# Allegro board WDMB-0007B-V02.brd (continued)
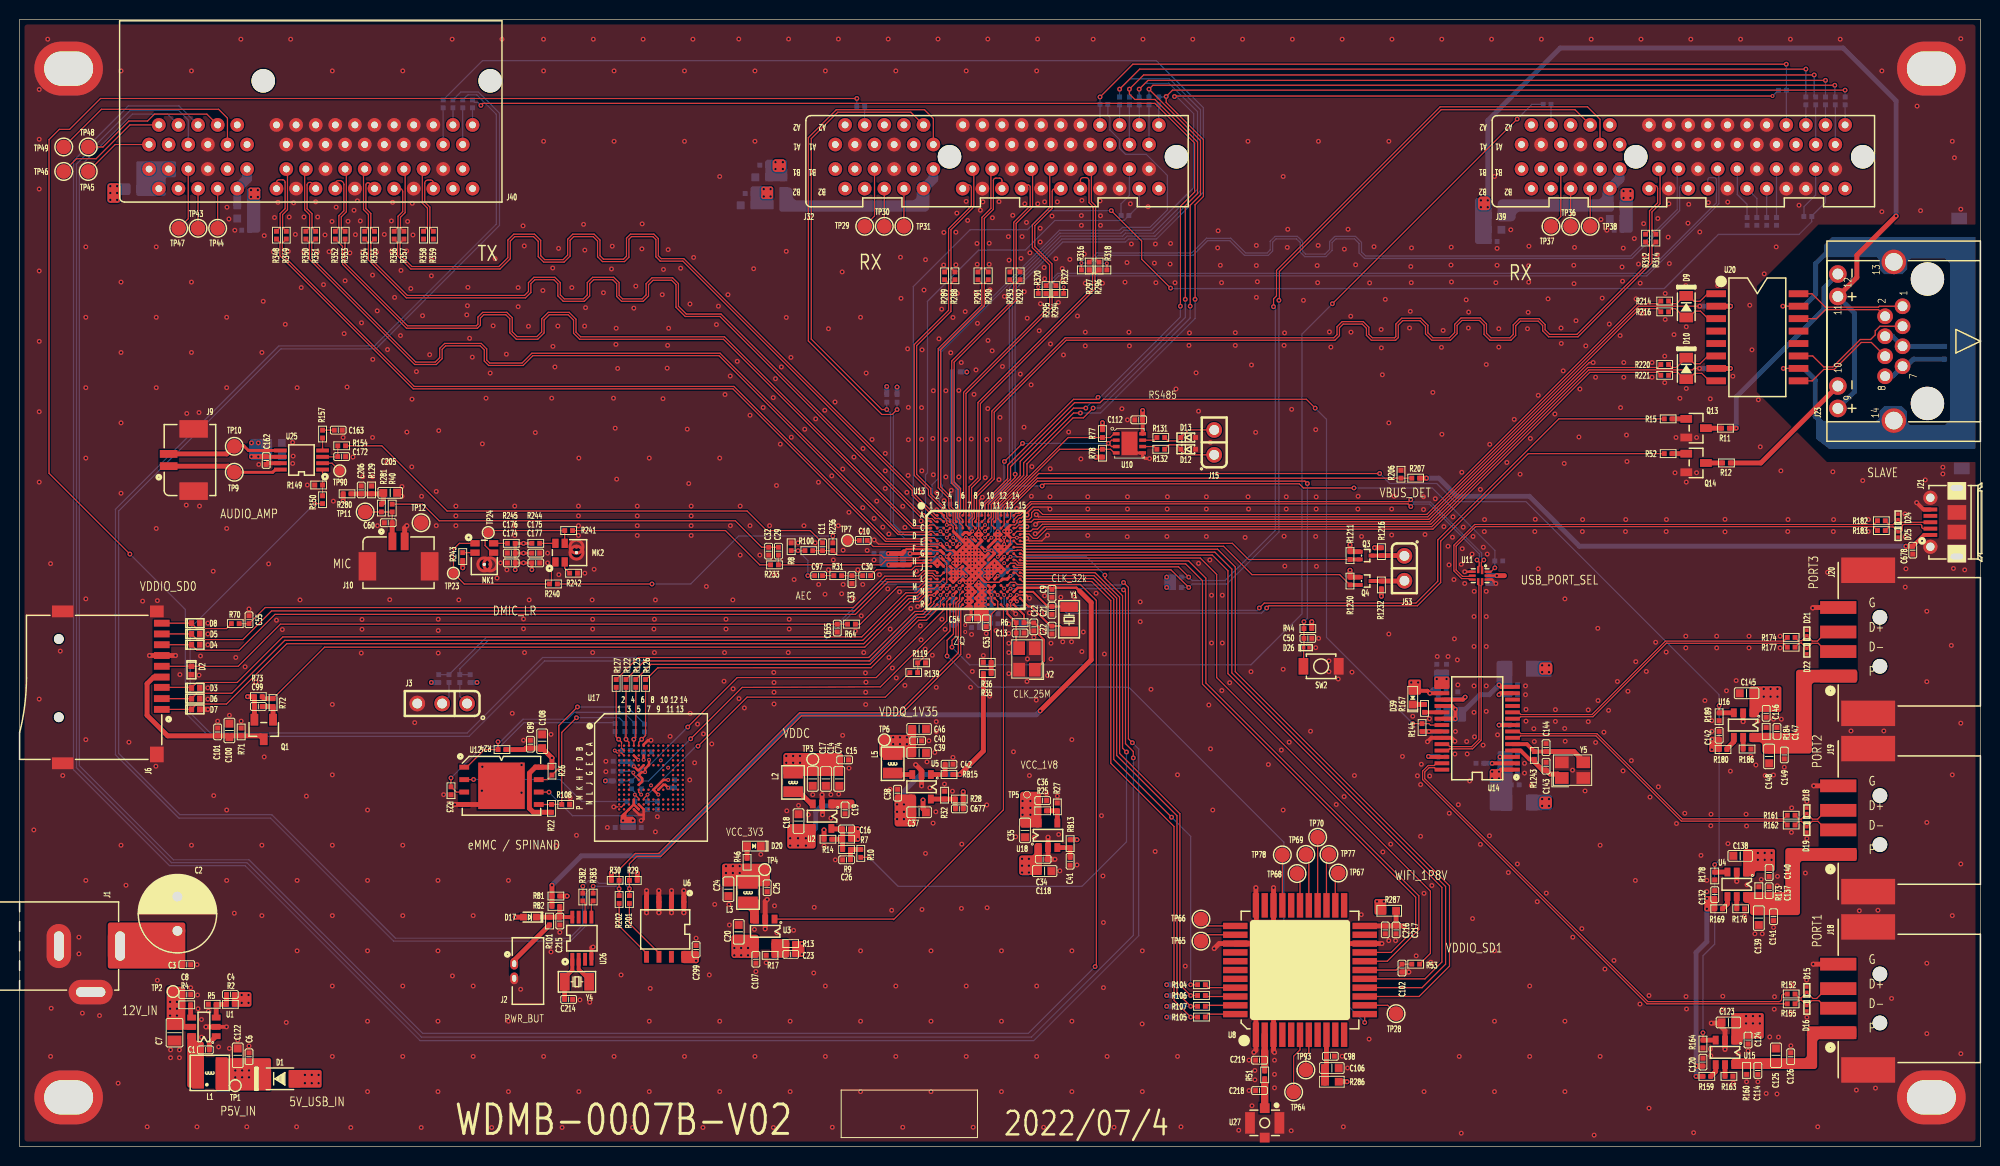
[diagram p0: board, top side]
## Placement (name value [footprint] x y rotation side) (continued)
TP23  test_pin  [TP1D0]  44.25 58.5 90 top
TP24  test_pin  [TP1D0]  47.8 62.65 90 top
TP28  NC_60MIL  [TP1D5]  140.4 13.55 270 top
TP29  NC_60MIL  [TP1D5]  86.2 93.9 90 top
TP30  NC_60MIL  [TP1D5]  88.2 93.9 90 top
TP31  NC_60MIL  [TP1D5]  90.2 93.9 90 top
TP36  NC_60MIL  [TP1D5]  158.2 93.9 90 top
TP37  NC_60MIL  [TP1D5]  156.2 93.9 90 top
TP38  NC_60MIL  [TP1D5]  160.2 93.9 90 top
TP43  NC_60MIL  [TP1D5]  18.2 93.7 90 top
TP44  NC_60MIL  [TP1D5]  20.2 93.7 90 top
TP45  NC_60MIL  [TP1D5]  7 99.5 90 top
TP46  NC_60MIL  [TP1D5]  4.5 99.5 90 top
TP47  NC_60MIL  [TP1D5]  16.23 93.7 90 top
TP48  NC_60MIL  [TP1D5]  7 102 180 top
TP49  NC_60MIL  [TP1D5]  4.5 102 90 top
TP64  NC_60MIL  [TP1D5]  129.95 5.55 90 top
TP65  NC_60MIL  [TP1D5]  120.5 20.95 90 top
TP66  NC_60MIL  [TP1D5]  120.5 23.2 90 top
TP67  NC_60MIL  [TP1D5]  134.5 27.9 90 top
TP68  NC_60MIL  [TP1D5]  130.3 27.85 90 top
TP69  NC_60MIL  [TP1D5]  131.2 29.8 90 top
TP70  NC_60MIL  [TP1D5]  132.4 31.55 90 top
TP77  NC_60MIL  [TP1D5]  133.55 29.8 90 top
TP78  NC_60MIL  [TP1D5]  128.8 29.75 0 top
TP90  T POINT R  [TP1D0]  32.65 68.95 270 top
TP93  NC_60MIL  [TP1D5]  131.2 7.8 90 top
U1  ETA8110S2G  [SOT236_2D9X1D6_0D95]  18.8 12.2 90 top
U2  ETA3446S2F  [SOT235_2D9X1D6_0D95]  81.85 33.7 180 top
U3  ETA3418S2F  [SOT235_2D9X1D6_0D95]  76.05 21.95 180 top
U4  G517AL1TB1U  [SOT236_2D9X1D6_0D95]  175.15 26.75 180 top
U5  ETA3414S2F  [SOT235_2D9X1D6_0D95]  92 36.7 180 top
U6  NC_ATSHA204A-SH-DA-B  [SOP8_4D4X5D0_1D27]  65.85 22.15 270 top
U8  DZ-S1026_R89S(FTV)  [WM44_12D0X12D0_0D9]  130.6 18 90 top
U10  NC/TPT75176A  [DFN8_3D0X3D0_0D65_E]  113.2 71.75 0 top
U11  SGM7227  [UQFN10_1D4X1D8_0D4]  148.97 58.25 270 top
U12  NAND_256MB  [VDFN8_6D0X8D0_1D27_E]  49.15 36.8 0 top
U13  CR182X_BGA_10X10  [BGA205_10D0X10D0_0D65]  97.5 59.85 0 top
U14  AU6268-JES  [SSOP28_5D3X10D2_0D65]  148.68 42.67 90 top
U15  G517AL1TB1U  [SOT236_2D9X1D6_0D95]  173.95 9.6 180 top
U16  G517AL1TB1U  [SOT236_2D9X1D6_0D95]  175.8 43 180 top
U17  NC_eMMC_8GB  [VFBGA153_11D5X13D0_0D5]  64.4 37.65 0 top
U18  ETA5050V0S2F  [SOT235_2D9X1D6_0D95]  104.9 31.75 0 top
U20  M1601AG  [TF16_12D1X5D1_1D27]  177.25 82.58 270 top
U25  CS8302M  [MSOP8_3D0X3D0_0D65]  28.75 70.05 180 top
U26  NC/TT8563  [MSOP8_3D0X3D0_0D65]  57.35 21.25 90 top
U27  UUS RF  [ANTCON_3D0X2D6]  127 2.4 180 top
Y1  32.768KHz/12.5pF  [XTAL_3D2X1D5]  107.05 53.8 90 top
Y2  25MHz/12.5pF  [XTAL_3D2X2D5]  102.75 49.75 90 top
Y4  NC_32.768KHz  [XTAL_3D2X1D5]  56.85 16.8 180 top
Y5  12MHz/12.5pF  [XTAL_3D2X2D5]  158.4 38.4 0 top

## Library data of the parts
C1 C4 C16 C23 C677 = SC0402_3p3nF_50V
C2 = CAP
C3 C5 C6 C8 C9 C15 C19 C25 C26 C34 C36 C38 C40 C44-C57 C64 C66 C67 C70-C79 C84 C85 C89 C96 C98 C100-C104 C107-C109 C112-C114 C120 C121 C124 C126-C137 C140-C142 C146 C147 C149 C166-C168 C197 C198 C201 C217-C219 C299 C626 C655 C669-C672 C674 C676 C678 = SC0402_0p1uF_16V
C7 C14 C20 C123 C125 C138 C139 C145 C148 = SC0805_22uF_16V
C10 C11 C17 C18 C24 C29-C33 C35 C37 C39 C60 C97 C106 C118 C119 C122 C159 C160 C162 C163 C172 C205 C206 C216 = SC0402_1uF_25V
C12 C13 C21 C22 C143 C144 = SC0402_12pF_16V
C41 C42 = SC0402_4p7uF_6p3V
C43 C61 C91 C93 C99 C150 C164 C165 C174-C177 C214 C215 = C
C196 C199 C200 C673 C675 = SC0603_22uF_6p3V
D1 D17 = D1N5819-1A_2
D2-D8 = DIODE BI_DIR TRIG_2
D9 D10 = D_0
D12 D13 = DIODE BI_DIR TRIG_0
D15 D16 D18 D19 D21 D22 D24-D26 = DIODE BI_DIR TRIG_1
D20 D39 = LED_0
H1-H4 = H
J1 = DCJACK_5mm
J2 = XTAL_25MHz_5
J3 = HEADER 3X1_4.25mm
J6 = Micro SD Socket
J9 J10 = CON6_5
J15 J53 = HEADER 2X1_1.25mm
J18-J20 = USB2_0 STD A_FS_1
J21 = USB2_0.0 Micro B
J23 = RJ45_Pluse J0011D01BNL_5
J32 J39 J40 = PCIE X 64_1
L1-L3 L5 = L
MK1 MK2 = D_MIC_1
Q1 = MOSFET_P_0
Q3 Q4 = MOSFET N_0
Q13 Q14 = 2N1069_2
R1-R40 R42 R44-R46 R49 R51-R57 R64 R70-R73 R76-R79 R81 R82 R100 R101 R104-R108 R116 R118 R119 R121-R123 R126-R129 R131 R132 R138-R142 R144 R149 R150 R154 R157 R159 R160 R163 R164 R166 R167 R169-R171 R173 R176 R178 R180 R184 R186 R189 R201 R202 R206 R207 R217 R218 R222 R223 R233 R236 R240-R245 R280-R283 R286 R287 R294-R298 R300-R304 R307 R310 R324 R326 R328 R330 R331 R334-R336 R338 R343 R347 R358-R363 R382 R383 R690 R691 R1211 R1216 R1230 R1232 R1243 R1248 R1249 RB13 RB15 = R
R152 R155 R161 R162 R174 R177 R182 R183 R214 R216 R220 R221 R288-R293 R312 R314 R316 R318 R320 R322 R348-R357 = R: signal model: DEFAULT_RESISTOR_100.000000OHM_1_2
SW2 = SW PB 2PIN
TP1-TP13 TP23 TP24 = TP60
TP28-TP31 TP36-TP38 TP43-TP49 TP64-TP70 TP77 TP78 TP93 = TP60_1
TP90 = T POINT R
U1 = G2832TB1U_0
U2 U3 U5 = G2822T11U_0
U4 U15 U16 = G517AL1TB1U_0
U6 = ATSHA204A-SH-DA-B
U8 = WIFI_DXS-S1128_R21CS_3
U10 = SN65HVD82_0
U11 = UM3304QT_0
U12 = ESMT_SPINOR_WSON8_4
U13 = Mars_CR182X_BGA_10X10
U14 = AU6268
U17 = MTFC8GAKAJCN
U18 = LDO-PT5108/RT9013_2
U20 = RJ45J0011D21B_0
U25 = SGM4890YMS
U26 = LM4990_0
U27 = ATNA RF SMA 1MM25_1
Y1 Y4 = CRYSTAL_0
Y2 Y5 = XTAL_25MHz_7

## Footprints (pads in the part's own frame, mm; a bottom-side part is the same pattern mirrored in y, then rotated)
ANTCON_3D0X2D6
  rect 1x1 smd: 1(0,-1.5) 2(0,1.5)
  rect 1x2.2 smd: 3(-1.5,0) 4(1.5,0)
BGA205_10D0X10D0_0D65
  round 0.3 smd: A2(-3.9,4.55) A3(-3.25,4.55) A4(-2.6,4.55) A6(-1.3,4.55) A7(-0.65,4.55) A9(0.65,4.55) A10(1.3,4.55) A12(2.6,4.55) A13(3.25,4.55) A14(3.9,4.55) B1(-4.55,3.9) B2(-3.9,3.9) B3(-3.25,3.9) B4(-2.6,3.9) B5(-1.95,3.9) B6(-1.3,3.9) B7(-0.65,3.9) B8(0,3.9) B9(0.65,3.9) B10(1.3,3.9) B11(1.95,3.9) B12(2.6,3.9) B13(3.25,3.9) B14(3.9,3.9) B15(4.55,3.9) C1(-4.55,3.25) C2(-3.9,3.25) C3(-3.25,3.25) C4(-2.6,3.25) C5(-1.95,3.25) C6(-1.3,3.25) C7(-0.65,3.25) C8(0,3.25) C9(0.65,3.25) C10(1.3,3.25) C11(1.95,3.25) C12(2.6,3.25) C13(3.25,3.25) C14(3.9,3.25) C15(4.55,3.25) D1(-4.55,2.6) D2(-3.9,2.6) D3(-3.25,2.6) D4(-2.6,2.6) D5(-1.95,2.6) D6(-1.3,2.6) D7(-0.65,2.6) D8(0,2.6) D9(0.65,2.6) D10(1.3,2.6) D11(1.95,2.6) D12(2.6,2.6) D13(3.25,2.6) D14(3.9,2.6) D15(4.55,2.6) E1(-4.55,1.95) E2(-3.9,1.95) E4(-2.6,1.95) E5(-1.95,1.95) E7(-0.65,1.95) E8(0,1.95) E9(0.65,1.95) E10(1.3,1.95) E11(1.95,1.95) E12(2.6,1.95) E13(3.25,1.95) E14(3.9,1.95) E15(4.55,1.95) F2(-3.9,1.3) F3(-3.25,1.3) F4(-2.6,1.3) F5(-1.95,1.3) F6(-1.3,1.3) F7(-0.65,1.3) F9(0.65,1.3) F10(1.3,1.3) F11(1.95,1.3) F13(3.25,1.3) F14(3.9,1.3) G1(-4.55,0.65) G2(-3.9,0.65) G3(-3.25,0.65) G4(-2.6,0.65) G5(-1.95,0.65) G6(-1.3,0.65) G7(-0.65,0.65) G8(0,0.65) G9(0.65,0.65) G10(1.3,0.65) G11(1.95,0.65) G13(3.25,0.65) G14(3.9,0.65) G15(4.55,0.65) H1(-4.55,0) H2(-3.9,0) H3(-3.25,0) H4(-2.6,0) H5(-1.95,0) H6(-1.3,0) H7(-0.65,0) H8(0,0) H9(0.65,0) H10(1.3,0) H11(1.95,0) H12(2.6,0) H13(3.25,0) H14(3.9,0) H15(4.55,0) J1(-4.55,-0.65) J2(-3.9,-0.65) J3(-3.25,-0.65) J4(-2.6,-0.65) J6(-1.3,-0.65) J7(-0.65,-0.65) J8(0,-0.65) J9(0.65,-0.65) J10(1.3,-0.65) J11(1.95,-0.65) J12(2.6,-0.65) J13(3.25,-0.65) J14(3.9,-0.65) K2(-3.9,-1.3) K3(-3.25,-1.3) K4(-2.6,-1.3) K5(-1.95,-1.3) K6(-1.3,-1.3) K7(-0.65,-1.3) K8(0,-1.3) K9(0.65,-1.3) K10(1.3,-1.3) K11(1.95,-1.3) K12(2.6,-1.3) K13(3.25,-1.3) K14(3.9,-1.3) K15(4.55,-1.3) L1(-4.55,-1.95) L2(-3.9,-1.95) L3(-3.25,-1.95) L4(-2.6,-1.95) L5(-1.95,-1.95) L6(-1.3,-1.95) L7(-0.65,-1.95) L8(0,-1.95) L9(0.65,-1.95) L10(1.3,-1.95) L11(1.95,-1.95) L13(3.25,-1.95) L14(3.9,-1.95) L15(4.55,-1.95) M1(-4.55,-2.6) M2(-3.9,-2.6) M3(-3.25,-2.6) M4(-2.6,-2.6) M5(-1.95,-2.6) M6(-1.3,-2.6) M7(-0.65,-2.6) M8(0,-2.6) M9(0.65,-2.6) M10(1.3,-2.6) M11(1.95,-2.6) M12(2.6,-2.6) M13(3.25,-2.6) M14(3.9,-2.6) N1(-4.55,-3.25) N2(-3.9,-3.25) N3(-3.25,-3.25) N4(-2.6,-3.25) N5(-1.95,-3.25) N6(-1.3,-3.25) N7(-0.65,-3.25) N8(0,-3.25) N9(0.65,-3.25) N10(1.3,-3.25) N11(1.95,-3.25) N12(2.6,-3.25) N13(3.25,-3.25) N14(3.9,-3.25) N15(4.55,-3.25) P1(-4.55,-3.9) P2(-3.9,-3.9) P3(-3.25,-3.9) P4(-2.6,-3.9) P5(-1.95,-3.9) P6(-1.3,-3.9) P7(-0.65,-3.9) P8(0,-3.9) P9(0.65,-3.9) P10(1.3,-3.9) P11(1.95,-3.9) P12(2.6,-3.9) P13(3.25,-3.9) P14(3.9,-3.9) P15(4.55,-3.9) R2(-3.9,-4.55) R3(-3.25,-4.55) R4(-2.6,-4.55) R6(-1.3,-4.55) R7(-0.65,-4.55) R8(0,-4.55) R9(0.65,-4.55) R10(1.3,-4.55) R11(1.95,-4.55) R12(2.6,-4.55) R13(3.25,-4.55) R14(3.9,-4.55)
C0402
  rect 0.5x0.5 smd: 1(-0.4,0) 2(0.4,0)
C0603
  rect 0.8x0.8 smd: 1(-0.7,0) 2(0.7,0)
C0805
  rect 1x1.4 smd: 1(-0.8,0) 2(0.8,0)
C1206
  rect 1.2x1.6 smd: 1(-1.3,0) 2(1.3,0)
COIL_3D0X3D0
  rect 1.2x3.2 smd: 1(1.2,0) 2(-1.2,0)
DCJACK_9D0X13D6
  oval 4.5x2.5 hole 3x1: 1(0,13.75) 3(0,7.5)
  oval 2.5x4.5 hole 1x3: 2(4.7,10.75)
DFN2_0D6X0D3
  rect 0.35x0.35 smd: N(-0.275,0) P(0.275,0)
DFN2_1D0X0D6
  rect 0.55x0.6 smd: N(-0.425,0) P(0.425,0)
DFN8_3D0X3D0_0D65_E
  rect 0.7x0.35 smd: 1(-1.35,0.975) 2(-1.35,0.325) 3(-1.35,-0.325) 4(-1.35,-0.975) 5(1.35,-0.975) 6(1.35,-0.325) 7(1.35,0.325) 8(1.35,0.975)
  rect 1.6x2.4 smd: 9(0,0)
EC_Z8D0_3D5
  round 1.6 hole 1: 1(-1.75,0) 2(1.75,0)
JMP_1X2_2D54
  round 1.6 hole 1: 1(-1.27,0) 2(1.27,0)
JMP_1X3_2D54
  round 1.6 hole 1: 1(-2.54,0) 2(0,0) 3(2.54,0)
L1008
  rect 1.1x2 smd: 1(-0.95,0) 2(0.95,0)
LED0603
  rect 0.8x0.8 smd: N(-0.7,0) P(0.7,0)
M_3D5X5D0_5D5X7D0
  oval 7x5.5 hole 5x3.5: 1(0,0)
MC_USB5P_5D0X7D5_0D65_SMD
  rect 0.4x1.4 smd: 1(-1.3,4.85) 2(-0.65,4.85) 3(0,4.85) 4(0.65,4.85) 5(1.3,4.85)
  round 1.45 hole 0.85: 6(-2.5,4.85) 7(2.5,4.85)
  rect 1.8x1.9 hole 0.6x1.3: 8(-3.5,2.15) 11(3.5,2.15)
  rect 1.5x1.9 smd: 9(-1,2.15) 10(1,2.15)
MIC_3D5X2D65
  round 0.325 hole 0.325 unplated: (0,0)
  rect 0.95x0.65 smd: 1(-0.95,2.15) 2(-0.95,1.2) 4(0.95,1.2) 5(0.95,2.15)
  custom 1.625x1.625 smd: 3(0.6,0)
ML2_2D8X6D8_1D5
  oval 1.2x0.8 hole 0.7x0.4: 1(-0.75,0) 2(0.75,0)
MSOP8_3D0X3D0_0D65
  rect 1.3x0.4 smd: 1(-2.15,0.975) 2(-2.15,0.325) 3(-2.15,-0.325) 4(-2.15,-0.975) 5(2.15,-0.975) 6(2.15,-0.325) 7(2.15,0.325) 8(2.15,0.975)
PCIE64_39D0X8D75_2D0_TH
  round 2.4 hole 2.4 unplated: (-18,0) (5.15,0)
  round 1.4 hole 0.7: A1(16.8,-1.25) A2(15.8,-3.25) A3(14.8,-1.25) A4(13.8,-3.25) A5(12.8,-1.25) A6(11.8,-3.25) A7(10.8,-1.25) A8(9.8,-3.25) A9(8.8,-1.25) A10(7.8,-3.25) A11(6.8,-1.25) A12(3.8,-3.25) A13(2.8,-1.25) A14(1.8,-3.25) A15(0.8,-1.25) A16(-0.2,-3.25) A17(-1.2,-1.25) A18(-2.2,-3.25) A19(-3.2,-1.25) A20(-4.2,-3.25) A21(-5.2,-1.25) A22(-6.2,-3.25) A23(-7.2,-1.25) A24(-8.2,-3.25) A25(-9.2,-1.25) A26(-10.2,-3.25) A27(-11.2,-1.25) A28(-12.2,-3.25) A29(-13.2,-1.25) A30(-14.2,-3.25) A31(-15.2,-1.25) A32(-16.2,-3.25) B1(16.8,1.25) B2(15.8,3.25) B3(14.8,1.25) B4(13.8,3.25) B5(12.8,1.25) B6(11.8,3.25) B7(10.8,1.25) B8(9.8,3.25) B9(8.8,1.25) B10(7.8,3.25) B11(6.8,1.25) B12(3.8,3.25) B13(2.8,1.25) B14(1.8,3.25) B15(0.8,1.25) B16(-0.2,3.25) B17(-1.2,1.25) B18(-2.2,3.25) B19(-3.2,1.25) B20(-4.2,3.25) B21(-5.2,1.25) B22(-6.2,3.25) B23(-7.2,1.25) B24(-8.2,3.25) B25(-9.2,1.25) B26(-10.2,3.25) B27(-11.2,1.25) B28(-12.2,3.25) B29(-13.2,1.25) B30(-14.2,3.25) B31(-15.2,1.25) B32(-16.2,3.25)
PCIE64_39D0X18D5_2D0_RA
  round 2.4 hole 2.4 unplated: (-18,-7.75) (5.15,-7.75)
  round 1.4 hole 0.7: A1(16.8,-1.25) A2(15.8,-3.25) A3(14.8,-1.25) A4(13.8,-3.25) A5(12.8,-1.25) A6(11.8,-3.25) A7(10.8,-1.25) A8(9.8,-3.25) A9(8.8,-1.25) A10(7.8,-3.25) A11(6.8,-1.25) A12(3.8,-3.25) A13(2.8,-1.25) A14(1.8,-3.25) A15(0.8,-1.25) A16(-0.2,-3.25) A17(-1.2,-1.25) A18(-2.2,-3.25) A19(-3.2,-1.25) A20(-4.2,-3.25) A21(-5.2,-1.25) A22(-6.2,-3.25) A23(-7.2,-1.25) A24(-8.2,-3.25) A25(-9.2,-1.25) A26(-10.2,-3.25) A27(-11.2,-1.25) A28(-12.2,-3.25) A29(-13.2,-1.25) A30(-14.2,-3.25) A31(-15.2,-1.25) A32(-16.2,-3.25) B1(16.8,1.25) B2(15.8,3.25) B3(14.8,1.25) B4(13.8,3.25) B5(12.8,1.25) B6(11.8,3.25) B7(10.8,1.25) B8(9.8,3.25) B9(8.8,1.25) B10(7.8,3.25) B11(6.8,1.25) B12(3.8,3.25) B13(2.8,1.25) B14(1.8,3.25) B15(0.8,1.25) B16(-0.2,3.25) B17(-1.2,1.25) B18(-2.2,3.25) B19(-3.2,1.25) B20(-4.2,3.25) B21(-5.2,1.25) B22(-6.2,3.25) B23(-7.2,1.25) B24(-8.2,3.25) B25(-9.2,1.25) B26(-10.2,3.25) B27(-11.2,1.25) B28(-12.2,3.25) B29(-13.2,1.25) B30(-14.2,3.25) B31(-15.2,1.25) B32(-16.2,3.25)
R0402
  rect 0.5x0.5 smd: 1(-0.4,0) 2(0.4,0)
R0603
  rect 0.8x0.8 smd: 1(-0.7,0) 2(0.7,0)
R1206
  rect 1.2x1.6 smd: 1(-1.3,0) 2(1.3,0)
RJ45_16D45X15D65_2D04
  round 3.4 hole 3.4 unplated: (-6.35,5.4) (6.35,5.4)
  round 1.6 hole 1: 1(3.57,7.94) 2(2.55,9.72) 3(1.53,7.94) 4(0.51,9.72) 5(-0.51,7.94) 6(-1.53,9.72) 7(-2.55,7.94) 8(-3.57,9.72)
  round 1.8 hole 1.1: 9(-6.86,14.54) 10(-4.57,14.54) 11(4.57,14.54) 12(6.86,14.54)
  round 2.5 hole 1.8: 15(-8.1,8.83) 16(8.1,8.83)
SDCARD_14D5X14D7
  round 1 hole 1 unplated: (-3.98,4) (4,4)
  rect 0.7x1.6 smd: 1(3.2,14.5) 2(2.1,14.5) 3(0.95,14.5) 4(-0.1,14.5) 5(-1.2,14.5) 6(-2.3,14.5) 7(-3.4,14.5) 8(-4.5,14.5) 9(-5.6,14.5)
  rect 1.2x1.4 smd: 10(-6.8,14)
  rect 1.6x1.4 smd: 11(7.8,14)
  rect 1.2x2.2 smd: 12(-6.8,4.4) 13(8.7,4.4)
SOD123_2D8X1D8
  rect 1.2x1.8 smd: N(1.5,0) P(-1.5,0)
SOD323_1D4X1D8
  rect 1x1.4 smd: N(1.1,0) P(-1.1,0)
SOD523_0D9X1D3
  rect 0.5x0.5 smd: N(0.75,0) P(-0.75,0)
SOD723_0D65X1D1
  rect 0.7x0.7 smd: N(0.65,0) P(-0.65,0)
SOP8_4D4X5D0_1D27
  rect 1.2x0.5 smd: 1(-2.8,1.905) 2(-2.8,0.635) 3(-2.8,-0.635) 4(-2.8,-1.905) 5(2.8,-1.905) 6(2.8,-0.635) 7(2.8,0.635) 8(2.8,1.905)
SOT23_BEC
  rect 0.8x1.2 smd: B(-0.95,-1) C(0,1) E(0.95,-1)
SOT23_GSD
  rect 0.8x1.2 smd: D(0,1) G(-0.95,-1) S(0.95,-1)
SOT235_2D9X1D6_0D95
  rect 0.6x0.9 smd: 1(-0.95,-1.25) 2(0,-1.25) 3(0.95,-1.25) 4(0.95,1.25) 5(-0.95,1.25)
SOT236_2D9X1D6_0D95
  rect 0.6x0.9 smd: 1(-0.95,-1.25) 2(0,-1.25) 3(0.95,-1.25) 4(0.95,1.25) 5(0,1.25) 6(-0.95,1.25)
SOT723_GSD
  rect 0.4x0.6 smd: D(0,0.6) G(-0.4,-0.6) S(0.4,-0.6)
SSOP28_5D3X10D2_0D65
  rect 0.4x1.5 smd: 1(-4.225,-3.6) 2(-3.575,-3.6) 3(-2.925,-3.6) 4(-2.275,-3.6) 5(-1.625,-3.6) 6(-0.975,-3.6) 7(-0.325,-3.6) 8(0.325,-3.6) 9(0.975,-3.6) 10(1.625,-3.6) 11(2.275,-3.6) 12(2.925,-3.6) 13(3.575,-3.6) 14(4.225,-3.6) 15(4.225,3.6) 16(3.575,3.6) 17(2.925,3.6) 18(2.275,3.6) 19(1.625,3.6) 20(0.975,3.6) 21(0.325,3.6) 22(-0.325,3.6) 23(-0.975,3.6) 24(-1.625,3.6) 25(-2.275,3.6) 26(-2.925,3.6) 27(-3.575,3.6) 28(-4.225,3.6)
SW2_2D5X3D0_SMD
  rect 1x1.7 smd: 1(-1.8,0) 2(1.8,0)
TF16_12D1X5D1_1D27
  rect 0.7x2 smd: 1(-4.445,-4.2) 2(-3.175,-4.2) 3(-1.905,-4.2) 4(-0.635,-4.2) 5(0.635,-4.2) 6(1.905,-4.2) 7(3.175,-4.2) 8(4.445,-4.2) 9(4.445,4.2) 10(3.175,4.2) 11(1.905,4.2) 12(0.635,4.2) 13(-0.635,4.2) 14(-1.905,4.2) 15(-3.175,4.2) 16(-4.445,4.2)
TP0D5
  round 0.5 smd: 1(0,0)
TP1D0
  round 1 smd: 1(0,0)
TP1D5
  round 1.5 smd: 1(0,0)
UQFN10_1D4X1D8_0D4
  rect 0.8x0.25 smd: 1(-0.55,0.2)
  rect 0.7x0.25 smd: 2(-0.6,-0.2) 6(0.6,-0.2) 7(0.6,0.2)
  rect 0.25x0.7 smd: 3(-0.4,-0.8) 4(0,-0.8) 5(0.4,-0.8) 8(0.4,0.8) 9(0,0.8) 10(-0.4,0.8)
USB_13D1X13D6_2D0_2D5_SMD
  round 1.5 hole 1.5 unplated: (-2.5,10.25) (2.5,10.25)
  rect 1.3x3.7 smd: 1(-3.5,14.5) 2(-1,14.5) 3(1,14.5) 4(3.5,14.5)
  rect 2.6x5.5 smd: 5(-7.3,11.45) 6(7.3,11.45)
VDFN8_6D0X8D0_1D27_E
  rect 1x0.5 smd: 1(-3.8,1.905) 2(-3.8,0.635) 3(-3.8,-0.635) 4(-3.8,-1.905) 5(3.8,-1.905) 6(3.8,-0.635) 7(3.8,0.635) 8(3.8,1.905)
  rect 4.75x4.75 smd: 9(0,0)
VFBGA153_11D5X13D0_0D5
  round 0.25 smd: A1(-3.25,3.25) A2(-2.75,3.25) A3(-2.25,3.25) A4(-1.75,3.25) A5(-1.25,3.25) A6(-0.75,3.25) A7(-0.25,3.25) A8(0.25,3.25) A9(0.75,3.25) A10(1.25,3.25) A11(1.75,3.25) A12(2.25,3.25) A13(2.75,3.25) A14(3.25,3.25) B1(-3.25,2.75) B2(-2.75,2.75) B3(-2.25,2.75) B4(-1.75,2.75) B5(-1.25,2.75) B6(-0.75,2.75) B7(-0.25,2.75) B8(0.25,2.75) B9(0.75,2.75) B10(1.25,2.75) B11(1.75,2.75) B12(2.25,2.75) B13(2.75,2.75) B14(3.25,2.75) C1(-3.25,2.25) C2(-2.75,2.25) C3(-2.25,2.25) C4(-1.75,2.25) C5(-1.25,2.25) C6(-0.75,2.25) C7(-0.25,2.25) C8(0.25,2.25) C9(0.75,2.25) C10(1.25,2.25) C11(1.75,2.25) C12(2.25,2.25) C13(2.75,2.25) C14(3.25,2.25) D1(-3.25,1.75) D2(-2.75,1.75) D3(-2.25,1.75) D4(-1.75,1.75) D12(2.25,1.75) D13(2.75,1.75) D14(3.25,1.75) E1(-3.25,1.25) E2(-2.75,1.25) E3(-2.25,1.25) E5(-1.25,1.25) E6(-0.75,1.25) E7(-0.25,1.25) E8(0.25,1.25) E9(0.75,1.25) E10(1.25,1.25) E12(2.25,1.25) E13(2.75,1.25) E14(3.25,1.25) F1(-3.25,0.75) F2(-2.75,0.75) F3(-2.25,0.75) F5(-1.25,0.75) F10(1.25,0.75) F12(2.25,0.75) F13(2.75,0.75) F14(3.25,0.75) G1(-3.25,0.25) G2(-2.75,0.25) G3(-2.25,0.25) G5(-1.25,0.25) G10(1.25,0.25) G12(2.25,0.25) G13(2.75,0.25) G14(3.25,0.25) H1(-3.25,-0.25) H2(-2.75,-0.25) H3(-2.25,-0.25) H5(-1.25,-0.25) H10(1.25,-0.25) H12(2.25,-0.25) H13(2.75,-0.25) H14(3.25,-0.25) J1(-3.25,-0.75) J2(-2.75,-0.75) J3(-2.25,-0.75) J5(-1.25,-0.75) J10(1.25,-0.75) J12(2.25,-0.75) J13(2.75,-0.75) J14(3.25,-0.75) K1(-3.25,-1.25) K2(-2.75,-1.25) K3(-2.25,-1.25) K5(-1.25,-1.25) K6(-0.75,-1.25) K7(-0.25,-1.25) K8(0.25,-1.25) K9(0.75,-1.25) K10(1.25,-1.25) K12(2.25,-1.25) K13(2.75,-1.25) K14(3.25,-1.25) L1(-3.25,-1.75) L2(-2.75,-1.75) L3(-2.25,-1.75) L12(2.25,-1.75) L13(2.75,-1.75) L14(3.25,-1.75) M1(-3.25,-2.25) M2(-2.75,-2.25) M3(-2.25,-2.25) M4(-1.75,-2.25) M5(-1.25,-2.25) M6(-0.75,-2.25) M7(-0.25,-2.25) M8(0.25,-2.25) M9(0.75,-2.25) M10(1.25,-2.25) M11(1.75,-2.25) M12(2.25,-2.25) M13(2.75,-2.25) M14(3.25,-2.25) N1(-3.25,-2.75) N2(-2.75,-2.75) N3(-2.25,-2.75) N4(-1.75,-2.75) N5(-1.25,-2.75) N6(-0.75,-2.75) N7(-0.25,-2.75) N8(0.25,-2.75) N9(0.75,-2.75) N10(1.25,-2.75) N11(1.75,-2.75) N12(2.25,-2.75) N13(2.75,-2.75) N14(3.25,-2.75) P1(-3.25,-3.25) P2(-2.75,-3.25) P3(-2.25,-3.25) P4(-1.75,-3.25) P5(-1.25,-3.25) P6(-0.75,-3.25) P7(-0.25,-3.25) P8(0.25,-3.25) P9(0.75,-3.25) P10(1.25,-3.25) P11(1.75,-3.25) P12(2.25,-3.25) P13(2.75,-3.25) P14(3.25,-3.25)
WF2_4D4X7D25_1D25_SMD
  rect 0.8x1.8 smd: 1(-0.625,0) 2(0.625,0)
  rect 1.8x2.9 smd: 3(-3.175,-2.55) 4(3.175,-2.55)
WM44_12D0X12D0_0D9
  rect 2.5x0.65 smd: 1(-6.6,4.5) 2(-6.6,3.6) 3(-6.6,2.7) 4(-6.6,1.8) 5(-6.6,0.9) 6(-6.6,0) 7(-6.6,-0.9) 8(-6.6,-1.8) 9(-6.6,-2.7) 10(-6.6,-3.6) 11(-6.6,-4.5) 23(6.6,-4.5) 24(6.6,-3.6) 25(6.6,-2.7) 26(6.6,-1.8) 27(6.6,-0.9) 28(6.6,0) 29(6.6,0.9) 30(6.6,1.8) 31(6.6,2.7) 32(6.6,3.6) 33(6.6,4.5)
  rect 0.65x2.5 smd: 12(-4.5,-6.6) 13(-3.6,-6.6) 14(-2.7,-6.6) 15(-1.8,-6.6) 16(-0.9,-6.6) 17(0,-6.6) 18(0.9,-6.6) 19(1.8,-6.6) 20(2.7,-6.6) 21(3.6,-6.6) 22(4.5,-6.6) 34(4.5,6.6) 35(3.6,6.6) 36(2.7,6.6) 37(1.8,6.6) 38(0.9,6.6) 39(0,6.6) 40(-0.9,6.6) 41(-1.8,6.6) 42(-2.7,6.6) 43(-3.6,6.6) 44(-4.5,6.6)
XTAL_3D2X1D5
  rect 1x1.8 smd: 1(-1.25,0) 2(1.25,0)
XTAL_3D2X2D5
  rect 1.4x1.2 smd: 1(-1.1,-0.8) 2(1.1,-0.8) 3(1.1,0.8) 4(-1.1,0.8)

## Nets
5V_USB_IN: C678.1 D1.P J21.1(VBUS) R207.1
12V_IN: C2.1 C3.1 C7.1 C8.1 J1.1 R4.2 R343.1 TP2.1(TP) U1.5(VIN)
GND: C2.2 C3.2 C5.2 C6.2 C7.2 C8.2 C9.2 C12.2 C13.2 C14.2 C15.2 C17.2 C18.2 C19.2 C20.2 C21.2 C22.2 C24.2 C25.2 C26.2 C32.1 C33.2 C34.2 C35.2 C36.2 C37.2 C38.2 C39.2 C40.2 C41.2 C42.2 C43.2 C44.2 C45.2 C46.2 C47.2 C48.2 C49.2 C50.2 C51.2 C52.2 C53.2 C54.2 C55.2 C56.2 C57.2 C60.1 C61.2 C64.2 C66.2 C67.2 C70.2 C71.2 C72.2 C73.2 C74.2 C75.2 C76.2 C77.2 C78.2 C79.2 C84.2 C85.2 C89.2 C91.2 C93.2 C96.2 C98.2 C100.2 C101.2 C102.2 C103.2 C104.2 C106.2 C107.2 C108.2 C109.2 C112.1 C113.1 C114.2 C118.2 C120.2 C121.1 C122.2 C123.2 C124.2 C125.2 C126.2 C127.1 C128.1 C129.1 C130.1 C131.2 C132.2 C133.1 C134.1 C135.1 C136.1 C137.2 C138.2 C139.2 C140.2 C141.2 C142.2 C143.1 C144.2 C145.2 C146.2 C147.2 C148.2 C149.2 C150.1 C159.2 C160.2 C162.2 C163.1 C164.1 C165.1 C166.2 C167.2 C168.2 C172.1 C174.1 C175.1 C176.1 C177.1 C196.2 C197.2 C198.2 C199.2 C200.2 C201.2 C205.1 C206.1 C214.2 C215.2 C216.2 C217.2 C218.2 C219.2 C299.2 C626.2 C655.1 C669.1 C670.1 C671.1 C672.1 C673.2 C674.2 C675.2 C676.2 C678.2 D2.P(1) D3.P(1) D4.P(1) D5.P(1) D6.P(1) D7.P(1) D8.P(1) D12.P(ANODE) D13.P(ANODE) D15.P(1) D16.P(1) D18.P(1) D19.P(1) D20.N(CATHODE) D21.P(1) D22.P(1) D24.P(1) D25.P(1) D26.P(1) H1.1(H) H2.1(H) H3.1(H) H4.1(H) J1.2 J1.3 J2.2(-) J3.3 J6.6(VSS) J6.10(GND1) J6.11(GND2) J6.12(GND3) J6.13(GND4) J9.3(GND1) J9.4(GND2) J10.2 J10.3(GND1) J10.4(GND2) J18.4(GND) J18.5(SHELL1) J18.6(SHELL2) J19.4(GND) J19.5(SHELL1) J19.6(SHELL2) J20.4(GND) J20.5(SHELL1) J20.6(SHELL2) J21.5(GND) J21.6(SHELL1) J21.7(SHELL2) J21.8(SHELL3) J21.9(SHELL4) J21.10(SHELL5) J21.11(SHELL6) J32.A3 J32.A7 J32.A12 J32.A13 J32.A14 J32.A15 J32.A16 J32.A17 J32.A18 J32.A19 J32.A20 J32.A21 J32.A22 J32.A23 J32.A24 J32.A25 J32.B7 J32.B14 J32.B17 J32.B20 J32.B23 J32.B26 J32.B27 J32.B28 J32.B31 J39.A3 J39.A7 J39.A12 J39.A13 J39.A14 J39.A15 J39.A16 J39.A17 J39.A18 J39.A19 J39.A20 J39.A21 J39.A22 J39.A23 J39.A24 J39.A25 J39.B7 J39.B14 J39.B17 J39.B20 J39.B23 J39.B26 J39.B27 J39.B28 J39.B31 J40.A7 J40.A12 J40.A13 J40.A14 J40.A15 J40.A16 J40.A17 J40.A18 J40.A19 J40.A20 J40.A21 J40.A22 J40.A23 J40.A24 J40.A25 J40.A26 J40.A27 J40.A28 J40.B7 J40.B14 J40.B17 J40.B20 J40.B23 J40.B26 J40.B29 MK1.3(GND) MK2.3(GND) Q13.E Q14.E R5.2 R8.1 R14.2 R17.2 R21.1 R23.2 R27.1 R32.1 R36.1 R45.1 R71.1 R108.2 R119.2 R129.1 R141.2 R149.2 R160.1 R163.1 R164.1 R166.1 R170.2 R173.1 R176.1 R178.1 R184.1 R186.1 R189.1 R206.1 R242.2 SW2.2 TP12.1(TP) U1.2(GND) U2.2(GND) U3.2(GND) U4.2(GND) U5.2(GND) U6.1(NC1) U6.2(NC2) U6.3(NC3) U6.4(GND) U8.1(GND#1) U8.3(GND#3) U8.20(GND#20) U8.31(GND#31) U8.33(GND#33) U8.36(GND#36) U10.5(GND) U10.9(EPAD) U11.3(GND) U11.8(/OE) U12.4(VSS) U12.9(EPAD) U13.A3(VSSC_1) U13.C13(VSSC_2) U13.D5(VSSC_3) U13.D8(VSSC_4) U13.D9(VSSC_5) U13.D13(VSSC_6) U13.E7(VSSC_7) U13.E9(VSSC_8) U13.F3(VSSC_9) U13.F6(VSSC_10) U13.F7(VSSC_11) U13.F11(VSSC_12) U13.F13(VSSC_13) U13.G5(VSSC_14) U13.G6(VSSC_15) U13.G7(VSSC_16) U13.G8(VSSC_17) U13.G9(VSSC_18) U13.G10(VSSC_19) U13.H5(VSSC_20) U13.H6(VSSC_21) U13.H7(VSSC_22) U13.H8(VSSC_23) U13.H9(VSSC_24) U13.J7(VSSC_25) U13.J8(VSSC_26) U13.J9(VSSC_27) U13.K7(VSSC_28) U13.K8(VSSC_29) U13.K9(VSSC_30) U13.L6(VSSC_31) U13.L7(VSSC_32) U13.L8(VSSC_33) U13.L9(VSSC_34) U13.L13((PWR_PTEST)__________[PD]|[FS]_) U13.M7(VSSC_35) U13.N2(VSSC_36) U13.N7(VSSC_37) U13.N8(VSSC_38) U13.P7(VSSC_39) U13.P14(VSSC_40) U13.R7(VSSC_41) U14.23(VSSH) U15.2(GND) U16.2(GND) U17.A6(VSS#A6) U17.C4(VSSQ#C4) U17.E7(VSS#E7) U17.G5(VSS#G5) U17.H10(VSS#H10) U17.J5(VSS#J5) U17.K8(VSS#K8) U17.N2(VSSQ#N2) U17.N5(VSSQ#N5) U17.P4(VSSQ#P4) U17.P6(VSSQ#P6) U18.2(GND) U25.7(GND) U26.4(VSS) U27.2(GND0) U27.3(GND1) U27.4(GND2) Y2.2(G1) Y2.4(G2) Y5.2(G1) Y5.4(G2)
GND_SIGNAL: C31.1 C119.1 R45.2 U13.G3(VSS18A_AUD_1) U13.H2(VSS18A_AUD_2) U13.J2(VSS18A_AUD_3) U13.J3(VSS18A_AUD_4)
P5V_IN: C4.2 C6.1 C18.1 C19.1 C20.1 C34.1 C37.1 C38.1 C107.1 C112.2 C118.1 C122.1 C123.1 C124.1 C128.2 C131.1 C138.1 C140.1 C145.1 C146.1 C159.1 C160.1 C162.1 C196.1 C197.1 C198.1 C199.1 C200.1 C201.1 D1.N L1.2 R2.1 R35.2 R283.2 R310.2 R347.1 R1216.2 R1232.2 RB13.2 RB15.2 TP1.1(TP) U2.1(EN) U2.4(VIN) U3.4(VIN) U4.1(IN) U5.4(VIN) U10.8(VCC) U14.15(AVDD5V) U15.1(IN) U16.1(IN) U18.1(IN) U25.6(VDD)
VBUS_DET: R206.2 R207.2 U13.A13((USB_VBUS_DET/XGPIOB[6]/CAM_MCL)
VBUS_EN: R164.2 R178.2 R189.2 U4.3(EN) U13.C12((USB_VBUS_EN/XGPIOB[5])__[DRV_L) U15.3(EN) U16.3(EN)
VCC_+1.8V: C35.1 C36.1 C70.1 C71.1 C72.1 C73.1 C84.1 C85.1 C166.1 C167.1 C168.1 C174.2 C175.2 C176.2 C177.2 Q3.G(GATE) Q4.G(GATE) R1.1 R18.1 R19.1 R20.1 R25.2 R34.1 R37.1 R42.2 R44.1 R55.1 R56.1 R76.1 R79.2 R81.2 R243.2 R244.2 R245.2 R287.1 R1211.2 R1230.2 TP5.1(TP) U13.D6(VDD18A_MIPI_2) U13.D7(VDD18A_MIPI_1) U13.D11(VDD18A_PLL_N) U13.D12(VCC18A_USB) U13.E11(VDDIO18_1) U13.E12(VDD18A_EPHY) U13.F10(VDDIO_SD1) U13.H12((RSTN)_________[PU]|[FS]_______) U13.M10(VDDIO_RTC) U13.M11((PWR_ON/PWR_GPIO[9]/UART1_RX/II) U13.N10(VDD18A) U13.R11((PWR_RSTN)__________[PU]|[FS]__) U17.C6(VCCQ#C6) U17.M4(VCCQ#M4) U17.N4(VCCQ#N4) U17.P3(VCCQ#P3) U17.P5(VCCQ#P5) U18.5(OUT)
VDD18A_AUD: C66.1 C67.1 R42.1 U13.F5(VDD18A_AUD)
VDD_BAT: C215.1 D17.N R82.2 R101.2 U26.8(VDD)
VDDBKUP: C9.1 R81.1 R82.1 U13.N14(VDDBKUP)
VDDC: C14.1 C15.1 C16.2 C17.1 C74.1 C75.1 C76.1 C77.1 C78.1 C79.1 L2.2 R7.1 TP3.1(TP) U13.H11(VDD09A_EPHY) U13.J4(VDDC_1) U13.J6(VDD09A_MIPI) U13.J10(VDDC_2) U13.J11(VDDC_3) U13.J12(VDDC_4) U13.K4(VDDC_5) U13.K5(VDDC_6) U13.K6(VDDC_7) U13.K10(VDDC_8) U13.K11(VDDC_9) U13.K12(VDDC_10) U13.L4(VDDC_11) U13.L5(VDDC_12) U13.L10(VDDC_13)
VDDIO_SD0: C103.1 C104.1 U13.G4(VOUT) U13.H4(VDDIO_SD0)
VDDQ_1.35V: C5.1 C39.1 C40.1 C46.1 C47.1 C48.1 C49.1 C51.1 C52.1 C53.1 C54.1 C677.2 L5.2 R28.2 TP6.1(TP) U13.M8(VDDQ_DRAM_1) U13.M9(VDDQ_DRAM_2) U13.N5(VDDQ_DRAM_3) U13.N9(VDDQ_1) U13.P8(VDDQ_2) U13.P9(VDDQ_3) U13.R8(VDDQ_4) U13.R9(VDDQ_5)
ADAC_AOUT_R: C11.2 R154.1
AF_SPI3_CS: R301.1 R334.1 U13.B10((VI2_D[5]/VI1_D[5]/VO_D[18]/XGP)
AF_SPI3_IRQ: R57.1 R300.1 U13.D10((VI2_D[4]/VI1_D[4]/VO_D[17]/XGP)
AF_SPI3_MISO: R303.2 R336.2 U13.B11((VI2_D[7]/VI1_D[7]/VO_D[20]/XGP)
AF_SPI3_MOSI: R304.2 R338.2 U13.C11((PWM[3]/VI1_D[8]/VO_D[21]/XGPIO)
AF_SPI3_SCK: R302.1 R335.1 U13.C10((VI2_D[6]/VI1_D[6]/VO_D[19]/XGP)
AUD_AOUTR: C11.1 R100.1 R236.2 U13.G2(((PAD_AUD_AOUTR)/XGPIOC[24]/IIS)
AUD_MIC_L: C29.2 R233.2 U13.H1(((PAD_AUD_AINL_MIC)/XGPIOC[23]/)
BT_UART4_CTS: R55.2 R104.2 U13.K14((UART2_CTS/PWM[9]/PWR_GPIO[17]/)
BT_UART4_RTS: R56.2 R105.2 U13.L15((UART2_RTS/PWM[8]/PWR_GPIO[15]/)
BT_UART4_RX: R20.2 R106.2 U13.K13((UART2_RX/PWM[10]/PWR_UART1_RX/)
BT_UART4_TX: R76.2 R107.2 U13.K15((UART2_TX/PWM[11]/PWR_UART1_TX/)
BUS_PWREDN: R170.1 R171.1 U14.17(BUS_PWREDN)
CAM_RST0_C: J32.A26 J39.A26 R298.1 R331.1
CHASSI_GND: C164.2 C165.2 J23.15(GND1) J23.16(GND2) R217.1 R218.2 R222.1 R223.2
D_EMMC__RST_Z: R138.1 U17.K5(RST_N)
D_EMMC_CLK: C109.1 R128.2 R139.1 U17.M6(CLK)
D_EMMC_CMD: R49.2 R140.1 U17.M5(CMD)
D_EMMC_D0: R3.2 R122.1 U17.A3(DAT0)
D_EMMC_D1: R39.2 R123.1 U17.A4(DAT1)
D_EMMC_D2: R118.2 R126.1 U17.A5(DAT2)
D_EMMC_D3: R121.2 R127.1 U17.B2(DAT3)
EMMC_CLK: R119.1 R139.2 U13.R4((EMMC_CLK/SPINOR_SCK/SPINAND_CL)
EMMC_CMD: R116.2 R140.2 U13.R3((EMMC_CMD/SPINOR_MISO/SPINAND_M)
EMMC_D0: R122.2 U13.P2((EMMC_DAT[0]/SPINOR_MOSI/SPINAN)
EMMC_D1: R123.2 U13.R2((EMMC_DAT[1]/SPINOR_CS_X/SPINAN)
EMMC_D2: R126.2 U13.P3((EMMC_DAT[2]/SPINOR_HOLD_X/SPIN)
EMMC_D3: R127.2 U13.P1((EMMC_DAT[3]/SPINOR_WP_X/SPINAN)
EMMC_RST_Z: R138.2 U13.P4((EMMC_RSTN/XGPIOA[21]/AUX2)____)
EPHY_LNK_LED: R52.2 U13.N12((PWR_WAKEUP0/PWR_IR0/PWR_UART0_)
EPHY_LNK_SPD: R15.2 U13.P13((PWR_BUTTON1/PWR_GPIO[8](PWR_II)
EPHY_RTX: R1.2 U13.C15(((GPIO_RTX)/XGPIOB[23]/PWM[1]/C)
EPHY_RXN: R221.2 U13.D15(((PAD_ETH_TXP)/UART3_RX/IIC1_SC)
EPHY_RXP: R220.2 U13.D14(((PAD_ETH_TXM)/UART3_RTS/IIC1_S)
EPHY_TXN: R216.2 U13.C14(((PAD_ETH_RXP)/UART3_TX/CAM_MCL)
EPHY_TXP: R214.2 U13.B15(((PAD_ETH_RXM)/UART3_CTS/CAM_MC)
GRN_C: J23.10(GRN_C-) R12.1
HUB_P0_D+: U11.7(HSD2+) U14.25(USB_DP)
HUB_P0_D-: U11.6(HSD2-) U14.24(USB_DM)
HUB_P1_D+: R152.2 U14.28(USB1_DP)
HUB_P1_D-: R155.2 U14.27(USB1_DM)
HUB_P2_D+: R161.2 U14.7(DP2_DP)
HUB_P2_D-: R162.2 U14.6(DP2_DM)
HUB_P3_D+: R174.2 U14.10(DP3_DP)
HUB_P3_D-: R177.2 U14.9(DP3_DM)
HUB_RESET: R144.1 U13.B9((VI2_D[1]/VI1_D[1]/VO_D[14]/XGP) U14.21(CHIPRESETN)
HUB_X1: C143.2 R1243.1 U14.4(XSCO) Y5.1(X1)
HUB_X2: C144.1 R1243.2 U14.5(XSCI) Y5.3(X2)
I2C2_SCL_RTC: R382.2 U26.6(SCL)
I2C2_SDA_RTC: R383.2 U26.5(SDA)
IIC0_SCL: R29.2 R201.1 R361.2 R382.1 U13.R6((CR_4WTDI/UART1_TX/UART2_TX/XGP)
IIC0_SDA: R30.2 R202.1 R362.2 R383.1 U13.P6((CR_4WTDO/UART1_RX/UART2_RX/XGP)
IIS1_BCLK: R233.1 R241.2
IIS1_BCLK_DMIC: MK1.4(CLOCK IN) MK2.4(CLOCK IN) R241.1 TP24.1(TP)
IIS1_DI: R236.1 R240.2
IIS1_SDI_DMIC: MK1.1(PDM OUT) MK2.1(PDM OUT) R240.1 TP23.1(TP)
IR_I2C2_SCL: J39.A9 R34.2 U13.J13((IIC2_SCL/PWM[14]/PWR_GPIO[12]/)
IR_I2C2_SDA: J39.A8 R18.2 U13.J14((IIC2_SDA/PWM[15]/PWR_GPIO[13]/)
IR_MCLK1: J39.B30 R690.1 U13.D3((CAM_MCLK1/AUX2/XGPIOA[3]/CAM_H)
IR_RST1: R331.2 U13.E4((IIS1_MCLK/XGPIOA[4]/CAM_VS0/II)
IR_RX1_0N: R294.2 R322.2 U13.C7((CR_2WTMS/VI0_D[1]/VI1_D[15]/XG)
IR_RX1_0P: R295.2 R320.2 U13.A6((CR_2WTCK/VI0_D[2]/VI1_D[16]/XG)
IR_RX1_1N: R296.2 R318.2 U13.B7((CR_SCL0/VI0_CLK/VI1_D[13]/XGPI)
IR_RX1_1P: R297.2 R316.2 U13.A7((CR_SDA0/VI0_D[0]/VI1_D[14]/XGP)
IR_RX1_2N: R314.2 U13.B8(((PAD_MIPIRX5N)/VI1_D[11]/VO_D[)
IR_RX1_2P: R312.2 U13.C8(((PAD_MIPIRX5P)/VI1_D[12]/VO_D[)
IRLED_PWM: R307.1 U13.N6((CR_4WTMS/CAM_MCLK0/PWM[7]/XGPI)
LCD_PWM: J40.A4 U13.M13((PWR_GPIO[0]/UART2_TX/PWR_UART0)
LCD_PWR_CT: J40.A5 U13.N13((PWR_GPIO[1](PWRSAR1.VIN2)/UART)
LCD_RST: J40.A6 U13.M12((PWR_GPIO[2](PWRSAR.VIN1)/EPHY_)
M_P1_D+: R182.2 U11.5(HSD1+)
M_P1_D-: R183.2 U11.4(HSD1-)
MEMS_MIC1_VDD: C205.2 C206.2 R129.2 R280.1 R281.1
MIC1_OUTPUT: C60.2 J10.1 R40.1 R281.2 TP11.1(TP)
MIC_IN_L: C29.1 C32.2 R40.2
MIC_IN_R: C30.1 C33.1 R31.2
MIPI_TX_0N: R349.1 U13.E2(((PAD_MIPI_TXM0)/VI0_D[9]/VO_D[)
MIPI_TX_0P: R348.1 U13.E1(((PAD_MIPI_TXP0)/VI0_D[10]/VO_D)
MIPI_TX_1N: R351.1 U13.D2((CR_2WTMS/VI0_D[11]/VO_D[2]/XGP)
MIPI_TX_1P: R350.1 U13.D1((CR_2WTCK/VI0_D[12]/VO_D[1]/XGP)
MIPI_TX_2N: R353.1 U13.C2((CR_SDA0/VI0_D[13]/VO_D[0]/XGPI)
MIPI_TX_2P: R352.1 U13.C1((CR_SCL0/VI0_D[14]/VO_CLK0/XGPI)
MIPI_TX_3N: R355.1 U13.B2((VI0_D[17]/SD1_D0/VO_D[26]/XGPI)
MIPI_TX_3P: R354.1 U13.B1((VI0_D[18]/SD1_D1/VO_D[27]/XGPI)
MIPI_TX_4N: R357.1 U13.A2((VI0_D[15]/SD1_CLK/VO_D[24]/XGP)
MIPI_TX_4P: R356.1 U13.B3((VI0_D[16]/SD1_CMD/VO_D[25]/XGP)
MIPI_TX_M0: J40.B13 R349.2
MIPI_TX_M1: J40.B16 R351.2
MIPI_TX_M2: J40.B19 R353.2
MIPI_TX_M3: J40.B22 R355.2
MIPI_TX_M4: J40.B25 R357.2
MIPI_TX_P0: J40.B12 R348.2
MIPI_TX_P1: J40.B15 R350.2
MIPI_TX_P2: J40.B18 R352.2
MIPI_TX_P3: J40.B21 R354.2
MIPI_TX_P4: J40.B24 R356.2
PWM0_BUCK: R10.1 U13.H13((PWM[0]/XGPIOB[0])________[HIZ])
PWR_SEQ2: U3.1(EN) U13.R12((PWR_SEQ2/PWR_GPIO[4])__[PD->DR)
PWR_VBAT_DET: R35.1 R36.2 U13.P11((PWR_VBAT_DET(PWRSAR.VIN3))____)
RGB_I2C3_SCL: J32.A11 R19.2 U13.D4((IIC3_SCL/XGPIOA[5])___[PD]|[FS)
RGB_I2C3_SDA: J32.A10 R37.2 U13.F4((IIC3_SDA/XGPIOA[6])___[PD]|[FS)
